# Altium PCB DRS4-PCB.PcbDoc (part 3 of 15)
Units mil, origin at the board's own origin, x right, y up, seen from the top; angles counter-clockwise.
Board outline 12350 x 7411.06 mil, 12 copper layers (Top Layer, Ground Layer 2, Signal Layer 3, Signal Layer 4, Ground Layer 5, Power Layer 6, Ground Layer 7, Ground Layer 8, Power Layer 9, Power Layer 10, Ground Layer 11, Bottom Layer), stack 61.6 mil thick; 1411 components, 1117 nets, 4255 pads, 2550 vias.
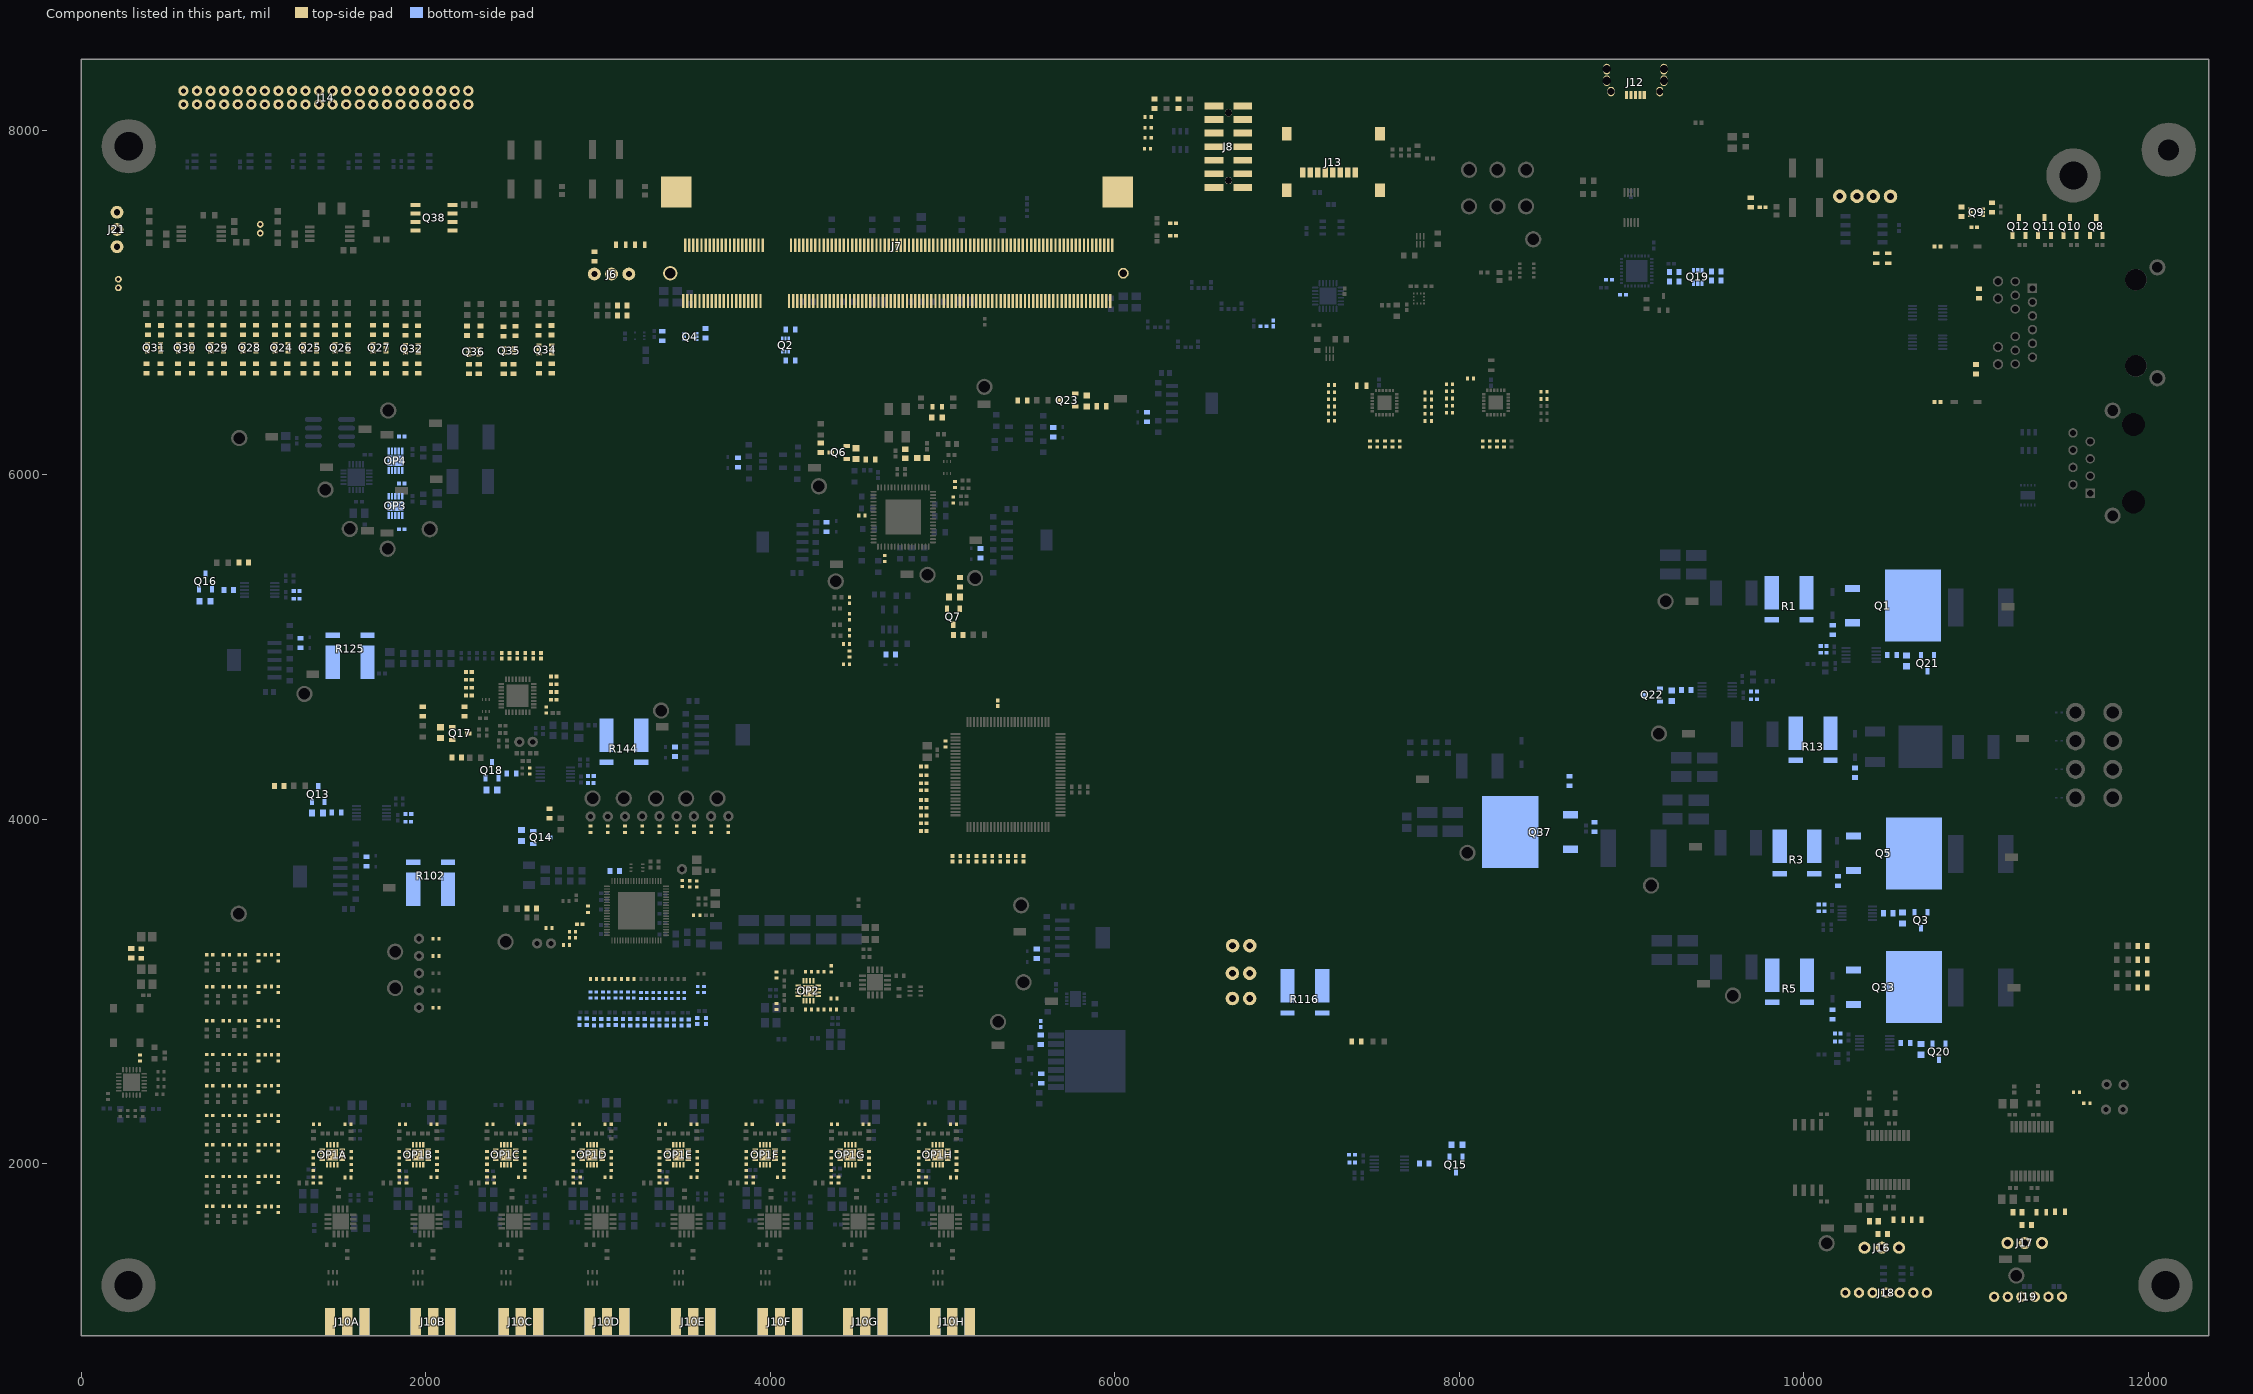
[diagram p13: the components of this part, seen from the top]

## Components (designator, comment, footprint, x,y, rotation, side; value= is the part's Value field where it differs from the comment) (continued)
J3 "Header_TE_Connectivity_826936-2_2POS_5A" Header_TE_Connectivity_826936-2_2POS_5A 6783.23,3265.88 r180 top
J4 "Header_TE_Connectivity_826936-2_2POS_5A" Header_TE_Connectivity_826936-2_2POS_5A 6782.36,3105.59 r180 top
J5 "Header_TE_Connectivity_826936-2_2POS_5A" Header_TE_Connectivity_826936-2_2POS_5A 6782.48,2959.09 r180 top
J6 "Header_TE_Connectivity_87224-3_3POS" Header_TE_Connectivity_87224-3_3POS 2978.05,7165.12 r0 top
J7 "DIMM_TE_Connectivity_1473005-4_200POS" DIMM_TE_Connectivity_1473005-4_200POS 4734.01,7169.62 r0 top
J8 "Header_Molex_87832-1420_14POS" Header_Molex_87832-1420_14POS 6575.46,8140.52 r270 top
J10A "CONREVSMA003.062" CON-SMA-EDGE062 1543.63,1082.68 r270 top (schematic designator J10)
J10B "CONREVSMA003.062" CON-SMA-EDGE062 2041.93,1082.68 r270 top (schematic designator J10)
J10C "CONREVSMA003.062" CON-SMA-EDGE062 2551.34,1082.68 r270 top (schematic designator J10)
J10D "CONREVSMA003.062" CON-SMA-EDGE062 3051.66,1082.68 r270 top (schematic designator J10)
J10E "CONREVSMA003.062" CON-SMA-EDGE062 3551.78,1082.68 r270 top (schematic designator J10)
J10F "CONREVSMA003.062" CON-SMA-EDGE062 4055.64,1082.68 r270 top (schematic designator J10)
J10G "CONREVSMA003.062" CON-SMA-EDGE062 4550.34,1082.68 r270 top (schematic designator J10)
J10H "CONREVSMA003.062" CON-SMA-EDGE062 5056.52,1082.68 r270 top (schematic designator J10)
J11 "Header_TE_Connectivity_826936-2_2POS_5A" Header_TE_Connectivity_826936-2_2POS_5A 10502.75,7615.48 r180 top
J12 "USB_Molex_204926-1103_" USB_Molex_204926-1103 9021.85,8216.54 r180 top
J13 "Conn_Molex_47219-2001_eec" Molex_47219-2001_0 7267.91,7836.42 r0 top
J14 "Header_Molex_87758-4416_44POS" Header_Molex_87758-4416_44POS 592.56,8149.61 r0 top
J15 "Header_Harwin_M50-3530242_2POS" Header_Harwin_M50-3530242_2POS 215.03,7134.67 r270 top
J16 "Header_TE_Connectivity_826926-3_3POS_5A" Header_TE_Connectivity_826926-3_3POS_5A 10552.02,1512.55 r180 top
J17 "Header_TE_Connectivity_826926-3_3POS_5A" Header_TE_Connectivity_826926-3_3POS_5A 11382.07,1539.96 r180 top
J18 "Header_Harwin_M22-2510705_7POS" Header_Harwin_M22-2510705_7POS 10713.5,1250.91 r180 top
J19 "Header_Harwin_ M22-2510605 _6POS" "Header_Harwin_ M22-2510605 _6POS" 11498.43,1227.17 r180 top
J20 "Header_TE_Connectivity_826936-2_2POS_5A" Header_TE_Connectivity_826936-2_2POS_5A 10308.12,7616.36 r180 top
J21 "Header_TE_Connectivity_87224-3_3POS" Header_TE_Connectivity_87224-3_3POS 206.69,7523.47 r270 top
J22 "Header_Harwin_M50-3530242_2POS" Header_Harwin_M50-3530242_2POS 1038.32,7452.82 r270 top
L1 "0603 250 mA" TDK_MLZ1608M100WT_0 4968.15,6395.04 r0 top value=10.0µH
L2A "Ind_TDK_ MLG1005SR22JT000_220nH" "Ind_TDK_ MLG1005SR22JT000_220nH" 2891.94,2824.16 r270 bottom (schematic designator L2)
L2B "Ind_TDK_ MLG1005SR22JT000_220nH" "Ind_TDK_ MLG1005SR22JT000_220nH" 2976.14,2821.67 r270 bottom (schematic designator L2)
L2C "Ind_TDK_ MLG1005SR22JT000_220nH" "Ind_TDK_ MLG1005SR22JT000_220nH" 3060.25,2822.11 r270 bottom (schematic designator L2)
L2D "Ind_TDK_ MLG1005SR22JT000_220nH" "Ind_TDK_ MLG1005SR22JT000_220nH" 3144.56,2821.27 r270 bottom (schematic designator L2)
L2E "Ind_TDK_ MLG1005SR22JT000_220nH" "Ind_TDK_ MLG1005SR22JT000_220nH" 3228.53,2821.27 r270 bottom (schematic designator L2)
L2F "Ind_TDK_ MLG1005SR22JT000_220nH" "Ind_TDK_ MLG1005SR22JT000_220nH" 3314.17,2820.64 r270 bottom (schematic designator L2)
L2G "Ind_TDK_ MLG1005SR22JT000_220nH" "Ind_TDK_ MLG1005SR22JT000_220nH" 3398.5,2820.45 r270 bottom (schematic designator L2)
L2H "Ind_TDK_ MLG1005SR22JT000_220nH" "Ind_TDK_ MLG1005SR22JT000_220nH" 3483.99,2820.23 r270 bottom (schematic designator L2)
L3A "Ind_TDK_ MLG1005SR22JT000_220nH" "Ind_TDK_ MLG1005SR22JT000_220nH" 2933.69,2824.16 r90 bottom (schematic designator L3)
L3B "Ind_TDK_ MLG1005SR22JT000_220nH" "Ind_TDK_ MLG1005SR22JT000_220nH" 3017.89,2821.67 r90 bottom (schematic designator L3)
L3C "Ind_TDK_ MLG1005SR22JT000_220nH" "Ind_TDK_ MLG1005SR22JT000_220nH" 3101.99,2822.11 r90 bottom (schematic designator L3)
L3D "Ind_TDK_ MLG1005SR22JT000_220nH" "Ind_TDK_ MLG1005SR22JT000_220nH" 3186.31,2821.27 r90 bottom (schematic designator L3)
L3E "Ind_TDK_ MLG1005SR22JT000_220nH" "Ind_TDK_ MLG1005SR22JT000_220nH" 3270.27,2821.27 r90 bottom (schematic designator L3)
L3F "Ind_TDK_ MLG1005SR22JT000_220nH" "Ind_TDK_ MLG1005SR22JT000_220nH" 3355.91,2820.64 r90 bottom (schematic designator L3)
L3G "Ind_TDK_ MLG1005SR22JT000_220nH" "Ind_TDK_ MLG1005SR22JT000_220nH" 3440.24,2820.45 r90 bottom (schematic designator L3)
L3H "Ind_TDK_ MLG1005SR22JT000_220nH" "Ind_TDK_ MLG1005SR22JT000_220nH" 3525.73,2820.23 r90 bottom (schematic designator L3)
L4 "Ind_TDK_ MLG1005SR22JT000_220nH" "Ind_TDK_ MLG1005SR22JT000_220nH" 3575.31,2829.25 r270 bottom
L5 "Ind_TDK_ MLG1005SR22JT000_220nH" "Ind_TDK_ MLG1005SR22JT000_220nH" 3626.66,2829.25 r90 bottom
L6 "470nH 0402 5%" TDK_MLF1005GR47JT000_0 4459.13,5270.66 r270 top value=270.0nH
L7 "510nH 0402 2%" TDK_MHQ1005PR51GT000_0 4459.13,5176.05 r270 top value=510.0nH
L8 "470nH 0402 5%" TDK_MLF1005GR47JT000_0 4459.13,5082.35 r270 top value=270.0nH
L9 "0603 250 mA" TDK_MLZ1608M100WT_0 346.64,3220.33 r90 top value=10.0µH
L10 "470nH 0402 5%" TDK_MLF1005GR47JT000_0 745.73,1752.28 r0 top value=270.0nH
L11 "510nH 0402 2%" TDK_MHQ1005PR51GT000_0 842.36,1752.28 r0 top value=510.0nH
L12 "470nH 0402 5%" TDK_MLF1005GR47JT000_0 933.07,1752.28 r0 top value=270.0nH
L13 "470nH 0402 5%" TDK_MLF1005GR47JT000_0 745.73,2634.09 r0 top value=270.0nH
L14 "510nH 0402 2%" TDK_MHQ1005PR51GT000_0 842.36,2634.09 r0 top value=510.0nH
L15 "470nH 0402 5%" TDK_MLF1005GR47JT000_0 933.07,2634.09 r0 top value=270.0nH
L16 "470nH 0402 5%" TDK_MLF1005GR47JT000_0 745.73,1925.43 r0 top value=270.0nH
L17 "510nH 0402 2%" TDK_MHQ1005PR51GT000_0 842.36,1925.43 r0 top value=510.0nH
L18 "470nH 0402 5%" TDK_MLF1005GR47JT000_0 933.07,1925.43 r0 top value=270.0nH
L19 "470nH 0402 5%" TDK_MLF1005GR47JT000_0 745.73,2830.94 r0 top value=270.0nH
L20 "510nH 0402 2%" TDK_MHQ1005PR51GT000_0 842.36,2830.94 r0 top value=510.0nH
L21 "470nH 0402 5%" TDK_MLF1005GR47JT000_0 933.07,2830.94 r0 top value=270.0nH
L22 "470nH 0402 5%" TDK_MLF1005GR47JT000_0 745.73,2110 r0 top value=270.0nH
L23 "510nH 0402 2%" TDK_MHQ1005PR51GT000_0 842.36,2110 r0 top value=510.0nH
L24 "470nH 0402 5%" TDK_MLF1005GR47JT000_0 933.07,2110 r0 top value=270.0nH
L25 "470nH 0402 5%" TDK_MLF1005GR47JT000_0 745.73,3027.8 r0 top value=270.0nH
L26 "510nH 0402 2%" TDK_MHQ1005PR51GT000_0 842.36,3027.8 r0 top value=510.0nH
L27 "470nH 0402 5%" TDK_MLF1005GR47JT000_0 933.07,3027.8 r0 top value=270.0nH
L28 "470nH 0402 5%" TDK_MLF1005GR47JT000_0 745.73,2279.76 r0 top value=270.0nH
L29 "510nH 0402 2%" TDK_MHQ1005PR51GT000_0 842.36,2279.76 r0 top value=510.0nH
L30 "470nH 0402 5%" TDK_MLF1005GR47JT000_0 933.07,2279.76 r0 top value=270.0nH
L31 "470nH 0402 5%" TDK_MLF1005GR47JT000_0 745.73,3214.02 r0 top value=270.0nH
L32 "510nH 0402 2%" TDK_MHQ1005PR51GT000_0 842.36,3214.02 r0 top value=510.0nH
L33 "470nH 0402 5%" TDK_MLF1005GR47JT000_0 933.07,3214.02 r0 top value=270.0nH
L34 "470nH 0402 5%" TDK_MLF1005GR47JT000_0 745.73,2452.99 r0 top value=270.0nH
L35 "510nH 0402 2%" TDK_MHQ1005PR51GT000_0 842.36,2452.99 r0 top value=510.0nH
L36 "470nH 0402 5%" TDK_MLF1005GR47JT000_0 933.07,2452.99 r0 top value=270.0nH
OP1A "THS4509" RGT16 1456.41,2052.4 r180 top value=Value (schematic designator OP1)
OP1B "THS4509" RGT16 1955.16,2052.4 r180 top value=Value (schematic designator OP1)
OP1C "THS4509" RGT16 2464.61,2052.4 r180 top value=Value (schematic designator OP1)
OP1D "THS4509" RGT16 2964.76,2052.4 r180 top value=Value (schematic designator OP1)
OP1E "THS4509" RGT16 3465.67,2052.4 r180 top value=Value (schematic designator OP1)
OP1F "THS4509" RGT16 3968.74,2052.4 r180 top value=Value (schematic designator OP1)
OP1G "THS4509" RGT16 4463.54,2052.4 r180 top value=Value (schematic designator OP1)
OP1H "THS4509" RGT16 4971.06,2052.4 r180 top value=Value (schematic designator OP1)
OP2 "THS4509" RGT16 4220.63,3004.38 r270 top value=Value
OP3 "OpAmp_Linear_Technology_ LTC6269HDD#PBF_500Mhz" "OpAmp_Linear_Technology_ LTC6269HDD#PBF_500Mhz" 1823.17,5819.13 r90 bottom
OP4 "OpAmp_Linear_Technology_ LTC6269HDD#PBF_500Mhz" "OpAmp_Linear_Technology_ LTC6269HDD#PBF_500Mhz" 1823.17,6080.91 r90 bottom
Q1 "Mos_ROHM_RSJ250P10FRATL_25A" Mos_ROHM_RSJ250P10FRATL_25A 10516.59,5235.18 r90 bottom
Q2 "Mos_ROHM_EM6K6T2R_N_300mA" Mos_ROHM_EM6K6T2R_N_300mA 4088.11,6752.68 r270 bottom
Q3 "BJT_PNP_Toshiba_TMBT3906" BJT_PNP_Toshiba_TMBT3906#1 10680.02,3413.1 r270 bottom
Q4 "Mos_ROHM_EM6K6T2R_N_300mA" Mos_ROHM_EM6K6T2R_N_300mA 3534.84,6801.63 r180 bottom
Q5 "Mos_ROHM_RSJ250P10FRATL_25A" Mos_ROHM_RSJ250P10FRATL_25A 10523.19,3796.7 r90 bottom
Q6 "BJT_PNP_Toshiba_TMBT3906" BJT_PNP_Toshiba_TMBT3906#1 4395.74,6128.88 r180 top
Q7 "BJT_PNP_Toshiba_TMBT3906" BJT_PNP_Toshiba_TMBT3906#1 5061.69,5176.25 r270 top
Q8 "Mos_Alpha&Omega_AO3401A_4A" Mos_Alpha&Omega_AO3401A_4A 11697.06,7441.85 r90 top
Q9 "Mos_ROHM_EM6K6T2R_N_300mA" Mos_ROHM_EM6K6T2R_N_300mA 11003.23,7524.21 r180 top
Q10 "Mos_Alpha&Omega_AO3401A_4A" Mos_Alpha&Omega_AO3401A_4A 11545.49,7441.85 r90 top
Q11 "Mos_Alpha&Omega_AO3401A_4A" Mos_Alpha&Omega_AO3401A_4A 11396.78,7441.85 r90 top
Q12 "Mos_Alpha&Omega_AO3401A_4A" Mos_Alpha&Omega_AO3401A_4A 11248.07,7441.85 r90 top
Q13 "BJT_PNP_Toshiba_TMBT3906" BJT_PNP_Toshiba_TMBT3906#1 1375.2,4146.27 r90 bottom
Q14 "BJT_PNP_Toshiba_TMBT3906" BJT_PNP_Toshiba_TMBT3906#1 2669.42,3893.77 r0 bottom
Q15 "BJT_PNP_Toshiba_TMBT3906" BJT_PNP_Toshiba_TMBT3906#1 7979.57,1995.33 r270 bottom
Q16 "BJT_PNP_Toshiba_TMBT3906" BJT_PNP_Toshiba_TMBT3906#1 720.68,5380.07 r90 bottom
Q17 "BJT_PNP_Toshiba_TMBT3906" BJT_PNP_Toshiba_TMBT3906#1 2199.76,4498.12 r0 top
Q18 "BJT_PNP_Toshiba_TMBT3906" BJT_PNP_Toshiba_TMBT3906#1 2382.89,4283.09 r90 bottom
Q19 "BJT_ROHM_US6X8TR_1A_NPN" BJT_ROHM_US6X8TR_1A_NPN 9383.73,7148.92 r270 bottom
Q20 "BJT_PNP_Toshiba_TMBT3906" BJT_PNP_Toshiba_TMBT3906#1 10784.68,2650.55 r270 bottom
Q21 "BJT_PNP_Toshiba_TMBT3906" BJT_PNP_Toshiba_TMBT3906#2 10718.17,4904.45 r270 bottom
Q22 "BJT_PNP_Toshiba_TMBT3906" BJT_PNP_Toshiba_TMBT3906#1 9118.22,4721.77 r180 bottom
Q23 "BJT_PNP_Toshiba_TMBT3906" BJT_PNP_Toshiba_TMBT3906#1 5722.86,6432.91 r180 top
Q24 "BJT_ROHM_US6X8TR_1A_NPN" BJT_ROHM_US6X8TR_1A_NPN 1162.03,6737.09 r180 top
Q25 "BJT_ROHM_US6X8TR_1A_NPN" BJT_ROHM_US6X8TR_1A_NPN 1327.57,6737.09 r180 top
Q26 "BJT_ROHM_US6X8TR_1A_NPN" BJT_ROHM_US6X8TR_1A_NPN 1509.9,6737.09 r180 top
Q27 "BJT_ROHM_US6X8TR_1A_NPN" BJT_ROHM_US6X8TR_1A_NPN 1730.44,6737.09 r180 top
Q28 "BJT_ROHM_US6X8TR_1A_NPN" BJT_ROHM_US6X8TR_1A_NPN 975.99,6737.09 r180 top
Q29 "BJT_ROHM_US6X8TR_1A_NPN" BJT_ROHM_US6X8TR_1A_NPN 788.44,6737.09 r180 top
Q30 "BJT_ROHM_US6X8TR_1A_NPN" BJT_ROHM_US6X8TR_1A_NPN 602.25,6737.09 r180 top
Q31 "BJT_ROHM_US6X8TR_1A_NPN" BJT_ROHM_US6X8TR_1A_NPN 422.01,6737.09 r180 top
Q32 "BJT_ROHM_US6X8TR_1A_NPN" BJT_ROHM_US6X8TR_1A_NPN 1918.18,6730.87 r180 top
Q33 "Mos_ROHM_RSJ250P10FRATL_25A" Mos_ROHM_RSJ250P10FRATL_25A 10523.19,3019.76 r90 bottom
Q34 "BJT_ROHM_US6X8TR_1A_NPN" BJT_ROHM_US6X8TR_1A_NPN 2693.06,6726.26 r180 top
Q35 "BJT_ROHM_EMT52T2R_100mA_PNP" BJT_ROHM_EMT52T2R_100mA_PNP 2483.59,6720.53 r180 top
Q36 "BJT_ROHM_EMT52T2R_100mA_PNP" BJT_ROHM_EMT52T2R_100mA_PNP 2278.12,6713.85 r0 top
Q37 "Mos_ROHM_RSJ250P10FRATL_25A" Mos_ROHM_RSJ250P10FRATL_25A 8411.72,3930.7 r270 bottom
Q38 "MOS_Fairchild_FDS6699S_PCHN" MOS_Fairchild_FDS6699S_PCHN 2047.73,7491.58 r180 top
R1 "SRes_KOA_PSG4NTEB1L00F_1mOhm" SRes_KOA_PSG4NTEB1L00F_1mOhm 9915.53,5249.07 r0 bottom
R2 "47K 5% 0603" RESC0603(1608)_L 10167.32,5098.43 r90 bottom value="47000.00 Ohm"
R3 "SRes_KOA_PSG4NTEB1L00F_1mOhm" SRes_KOA_PSG4NTEB1L00F_1mOhm 9960.76,3776.79 r0 bottom
R4 "47K 5% 0603" RESC0603(1608)_L 10196.85,3641.73 r90 bottom value="47000.00 Ohm"
R5 "SRes_KOA_PSG4NTEB1L00F_1mOhm" SRes_KOA_PSG4NTEB1L00F_1mOhm 9918.03,3030.03 r0 bottom
R6 "47K 5% 0603" RESC0603(1608)_L 10166.57,2866.41 r90 bottom value="47000.00 Ohm"
R7 "27K 5% 0603" RESC0603(1608)_L 1654.45,3754.32 r90 bottom value="27000.00 Ohm"
R8 "24K 5% 0603" RESC0603(1608)_L 5546.22,3218.3 r270 bottom value="24000.00 Ohm"
R9 "24K 5% 0603" RESC0603(1608)_L 5572.3,2494.49 r270 bottom value="24000.00 Ohm"
R10 "10K 5% 0603" RESC0603(1608)_L 5569.38,2719.95 r270 bottom value="10000.00 Ohm"
R11 "22K 5% 0603" RESC0603(1608)_L 3445.89,4391.11 r270 bottom value="22000.00 Ohm"
R12 "20K 1% 0603" RESC0603(1608)_L 1271.19,5022.7 r270 bottom value="20000.00 Ohm"
R13 "SRes_KOA_PSG4NTEB1L00F_1mOhm" SRes_KOA_PSG4NTEB1L00F_1mOhm 10054.65,4433.38 r0 bottom
R14 "47K 5% 0603" RESC0603(1608)_L 10296.24,4269.47 r90 bottom value="47000.00 Ohm"
R15 "15K 5% 0603" RESC0603(1608)_L 4326.7,5695.68 r90 bottom value="15000.00 Ohm"
R16 "16K 5% 0603" RESC0603(1608)_L 5218.87,5544.16 r270 bottom value="16000.00 Ohm"
R17 "16K 5% 0603" RESC0603(1608)_L 4698.72,4956.45 r180 bottom value="16000.00 Ohm"
R18 "18K 5% 0603" RESC0603(1608)_L 3813.06,6070.24 r90 bottom value="18000.00 Ohm"
R19 "20K 1% 0603" RESC0603(1608)_L 5642.35,6246.65 r90 bottom value="20000.00 Ohm"
R20 "Res_Vishay_CRCW04020000Z0EDC_0_Ohm" Res_Vishay_CRCW04020000Z0EDC_0_Ohm 10102.67,3466.24 r0 bottom
R21 "680R 5% 0603" RESC0603(1608)_L 3140.4,6982.13 r180 top value="680.00 Ohm"
R22 "47K 5% 0603" RESC0603(1608)_L 8784.15,3954.23 r270 bottom value="47000.00 Ohm"
R23 "100K 5% 0603" RESC0603(1608)_N 10573.09,3427.03 r270 bottom value="100000.00 Ohm"
R24 "Res_Vishay_CRCW04020000Z0EDC_0_Ohm" Res_Vishay_CRCW04020000Z0EDC_0_Ohm 10102.77,3505.46 r0 bottom
R25 "10K 5% 0603" RESC0603(1608)_L 10489.18,3453.97 r180 bottom value="10000.00 Ohm"
R26 "47K 5% 0603" RESC0603(1608)_L 4116.22,6843.83 r0 bottom value="47000.00 Ohm"
R27 "1K 5% 0603" RESC0603(1608)_L 8639.98,4221.56 r270 bottom value="1000.00 Ohm"
R28 "47K 5% 0603" RESC0603(1608)_L 4116.22,6664.1 r0 bottom value="47000.00 Ohm"
R29 "680R 5% 0603" RESC0603(1608)_L 11965.59,3103.66 r180 top value="680.00 Ohm"
R30 "47K 5% 0603" RESC0603(1608)_L 3372.41,6805.57 r90 bottom value="47000.00 Ohm"
R31 "1K1 1% 0402" RESC0402(1005)_L#1 2815.96,3269.61 r180 top value="1100.00 Ohm"
R32 "680R 5% 0603" RESC0603(1608)_L 3140.31,6924.49 r180 top value="680.00 Ohm"
R33 "1K1 1% 0402" RESC0402(1005)_L#1 2714.92,3368.23 r180 top value="1100.00 Ohm"
R34 "47K 5% 0603" RESC0603(1608)_L 3622.79,6820.81 r270 bottom value="47000.00 Ohm"
R35 "1K1 1% 0402" RESC0402(1005)_L#1 3155.91,3941.54 r90 top value="1100.00 Ohm"
R36 "1K 5% 0603" RESC0603(1608)_L 2978.05,7266.62 r90 top value="1000.00 Ohm"
R37 "20K 1% 0603" RESC0603(1608)_L 6368.09,8153.35 r90 top value="20000.00 Ohm"
R38 "20K 1% 0603" RESC0603(1608)_L 6230.52,8153.35 r90 top value="20000.00 Ohm"
R39 "22R 1% 0402" RESC0402(1005)_L#1 6193.45,8077.09 r0 top value="22.00 Ohm"
R40 "100R 5% 0402" RESC0402(1005)_L#1 6193.45,7955.53 r0 top value="100.00 Ohm"
R41 "100R 5% 0402" RESC0402(1005)_L#1 6189.02,7892.41 r0 top value="100.00 Ohm"
R42 "100R 5% 0402" RESC0402(1005)_L#1 6193.45,8013.86 r0 top value="100.00 Ohm"
R43 "RES_DNP_0603" RES_DNP_0603 3131.79,7335.91 r0 top
R44 "RES_DNP_0603" RES_DNP_0603 3242.19,7335.91 r0 top
R45 "100K 5% 0603" RESC0603(1608)_N 5068.18,5290.43 r180 top value="100000.00 Ohm"
R46 "100K 5% 0603" RESC0603(1608)_N 4496.95,6122 r90 top value="100000.00 Ohm"
R47 "10K 5% 0603" RESC0603(1608)_L 4581.61,6087.32 r0 top value="10000.00 Ohm"
R48 "10K 5% 0603" RESC0603(1608)_L 5100.69,5375.09 r90 top value="10000.00 Ohm"
R49 "680R 5% 0603" RESC0603(1608)_L 4292.3,6156.05 r90 top value="680.00 Ohm"
R50 "22R 1% 0402" RESC0402(1005)_L#1 4530.71,5763.78 r0 top value="22.00 Ohm"
R51 "22R 1% 0402" RESC0402(1005)_L#1 4663.7,5513.07 r90 top value="22.00 Ohm"
R53 "680R 5% 0603" RESC0603(1608)_L 5091.18,5069.96 r0 top value="680.00 Ohm"
R55 "100R 5% 0402" RESC0402(1005)_L#1 5071.69,5942.42 r270 top value="100.00 Ohm"
R56 "100R 5% 0402" RESC0402(1005)_L#1 5060.83,5853.73 r90 top value="100.00 Ohm"
R57 "1K1 1% 0402" RESC0402(1005)_L#1 3488.16,3625.99 r90 top value="1100.00 Ohm"
R58 "1K1 1% 0402" RESC0402(1005)_L#1 3555.91,3941.54 r90 top value="1100.00 Ohm"
R59 "1K1 1% 0402" RESC0402(1005)_L#1 2058.14,2906.08 r180 top value="1100.00 Ohm"
R60 "1K1 1% 0402" RESC0402(1005)_L#1 3455.91,3941.54 r90 top value="1100.00 Ohm"
R61 "8K 1% 0603" Res_Yageo_RT0603BRE078KL_8K 4967.7,6331.52 r0 top
R62 "Res_Vishay_CRCW0603523RFKEA_523Ohm" Res_Vishay_CRCW0603523RFKEA_523Ohm 4781.81,6121.56 r270 top
R63 "Res_Bourns_CR0603-FX-4420ELF_442Ohm" Res_Bourns_CR0603-FX-4420ELF_442Ohm 4880.23,6095.96 r180 top
R64 "680R 5% 0603" RESC0603(1608)_L 11015.41,7052.58 r270 top value="680.00 Ohm"
R65 "680R 5% 0603" RESC0603(1608)_L 10999.02,6612.43 r90 top value="680.00 Ohm"
R66 "33K 5% 0603" RESC0603(1608)_L 6187.14,6335.15 r270 bottom value="33000.00 Ohm"
R67 "Res_Yageo_RC0402FR-132K49L_2.48kOhm" Res_Yageo_RC0402FR-132K49L_2.48kOhm 5568.76,2810.51 r270 bottom
R68 "1K1 1% 0402" RESC0402(1005)_L#1 7257.64,6520.24 r180 top value="1100.00 Ohm"
R69 "1K1 1% 0402" RESC0402(1005)_L#1 7257.64,6478.9 r180 top value="1100.00 Ohm"
R70 "10K 5% 0603" RESC0603(1608)_L 10914.63,7526.88 r90 top value="10000.00 Ohm"
R71 "1K1 1% 0402" RESC0402(1005)_L#1 7257.64,6437.52 r180 top value="1100.00 Ohm"
R72 "1K1 1% 0402" RESC0402(1005)_L#1 7257.64,6396.19 r180 top value="1100.00 Ohm"
R73 "1K1 1% 0402" RESC0402(1005)_L#1 7257.64,6354.84 r180 top value="1100.00 Ohm"
R74 "1K1 1% 0402" RESC0402(1005)_L#1 7257.64,6313.5 r180 top value="1100.00 Ohm"
R75 "Res_Vishay_CRCW04020000Z0EDC_0_Ohm" Res_Vishay_CRCW04020000Z0EDC_0_Ohm 10988.5,7437.24 r180 top
R76 "Res_Vishay_CRCW04020000Z0EDC_0_Ohm" Res_Vishay_CRCW04020000Z0EDC_0_Ohm 10775.39,7324.92 r180 top
R77 "Res_Vishay_CRCW04020000Z0EDC_0_Ohm" Res_Vishay_CRCW04020000Z0EDC_0_Ohm 10775.39,6421.53 r180 top
R78 "10K 5% 0603" RESC0603(1608)_L 11092.93,7550.93 r270 top value="10000.00 Ohm"
R79 "Res_Vishay_CRCW04020000Z0EDC_0_Ohm" Res_Vishay_CRCW04020000Z0EDC_0_Ohm 4889.88,4306.14 r180 top
R80 "300R 1% 0402" RESC0402(1005)_L#1 5016.61,4437.48 r90 top value="300.00 Ohm"
R81 "Res_Vishay_CRCW04020000Z0EDC_0_Ohm" Res_Vishay_CRCW04020000Z0EDC_0_Ohm 4889.88,4254.56 r180 top
R82 "Res_Vishay_CRCW04020000Z0EDC_0_Ohm" Res_Vishay_CRCW04020000Z0EDC_0_Ohm 4889.88,4209.28 r180 top
R83 "Res_Vishay_CRCW04020000Z0EDC_0_Ohm" Res_Vishay_CRCW04020000Z0EDC_0_Ohm 4889.88,4168.62 r180 top
R84 "Res_Vishay_CRCW04020000Z0EDC_0_Ohm" Res_Vishay_CRCW04020000Z0EDC_0_Ohm 4889.88,4112.06 r180 top
R85 "Res_Vishay_CRCW04020000Z0EDC_0_Ohm" Res_Vishay_CRCW04020000Z0EDC_0_Ohm 4889.88,4066.77 r180 top
R86 "Res_Vishay_CRCW04020000Z0EDC_0_Ohm" Res_Vishay_CRCW04020000Z0EDC_0_Ohm 4889.88,3976.2 r180 top
R87 "Res_Vishay_CRCW04020000Z0EDC_0_Ohm" Res_Vishay_CRCW04020000Z0EDC_0_Ohm 4889.88,3930.92 r180 top
R88 "Res_Vishay_CRCW04020000Z0EDC_0_Ohm" Res_Vishay_CRCW04020000Z0EDC_0_Ohm 5102.34,3770.51 r270 top
R89 "Res_Vishay_CRCW04020000Z0EDC_0_Ohm" Res_Vishay_CRCW04020000Z0EDC_0_Ohm 5057.05,3770.51 r270 top
R90 "Res_Vishay_CRCW04020000Z0EDC_0_Ohm" Res_Vishay_CRCW04020000Z0EDC_0_Ohm 5196.12,3770.51 r270 top
R91 "Res_Vishay_CRCW04020000Z0EDC_0_Ohm" Res_Vishay_CRCW04020000Z0EDC_0_Ohm 5148.02,3770.51 r270 top
R92 "Res_Vishay_CRCW04020000Z0EDC_0_Ohm" Res_Vishay_CRCW04020000Z0EDC_0_Ohm 5288.65,3770.51 r270 top
R93 "Res_Vishay_CRCW04020000Z0EDC_0_Ohm" Res_Vishay_CRCW04020000Z0EDC_0_Ohm 5242.94,3770.51 r270 top
R94 "Res_Vishay_CRCW04020000Z0EDC_0_Ohm" Res_Vishay_CRCW04020000Z0EDC_0_Ohm 5379.22,3770.51 r270 top
R95 "Res_Vishay_CRCW04020000Z0EDC_0_Ohm" Res_Vishay_CRCW04020000Z0EDC_0_Ohm 5333.93,3770.51 r270 top
R96 "Res_Vishay_CRCW04020000Z0EDC_0_Ohm" Res_Vishay_CRCW04020000Z0EDC_0_Ohm 5469.79,3770.51 r270 top
R97 "Res_Vishay_CRCW04020000Z0EDC_0_Ohm" Res_Vishay_CRCW04020000Z0EDC_0_Ohm 5424.5,3770.51 r270 top
R98 "Res_Vishay_CRCW04020000Z0EDC_0_Ohm" Res_Vishay_CRCW04020000Z0EDC_0_Ohm 5319.88,4672.76 r270 top
R99 "1K1 1% 0402" RESC0402(1005)_L#1 11583.21,2414.92 r0 top value="1100.00 Ohm"
R100 "1K1 1% 0402" RESC0402(1005)_L#1 11642.2,2350.59 r0 top value="1100.00 Ohm"
R101 "RES_DNP_0603" RES_DNP_0603 7432.21,6516.02 r0 top
R102 "SRes_KOA_PSG4NTEB1L00F_1mOhm" SRes_KOA_PSG4NTEB1L00F_1mOhm 2026.65,3658.39 r180 bottom
R103 "Res_Vishay_CRCW04020000Z0EDC_0_Ohm" Res_Vishay_CRCW04020000Z0EDC_0_Ohm 1898.39,4029.83 r180 bottom
R104 "100K 5% 0603" RESC0603(1608)_N 1370.27,4036.66 r180 bottom value="100000.00 Ohm"
R105 "Res_Vishay_CRCW04020000Z0EDC_0_Ohm" Res_Vishay_CRCW04020000Z0EDC_0_Ohm 1897.98,3984.49 r180 bottom
R106 "100R 5% 0402" RESC0402(1005)_L#1 2940.75,3477.17 r270 top value="100.00 Ohm"
R107 "10K 5% 0603" RESC0603(1608)_L 1481.11,4037.84 r0 bottom value="10000.00 Ohm"
R108 "Res_Vishay_CRCW04020000Z0EDC_0_Ohm" Res_Vishay_CRCW04020000Z0EDC_0_Ohm 2893.7,3389.69 r0 top
R109 "1K1 1% 0402" RESC0402(1005)_L#1 3572.98,3624.27 r90 top value="1100.00 Ohm"
R110 "1K1 1% 0402" RESC0402(1005)_L#1 3531.64,3624.94 r90 top value="1100.00 Ohm"
R111 "130R 5% 0603" RESC0603(1608)_L 2614.07,3482.12 r0 top value="130.00 Ohm"
R112 "680R 5% 0603" RESC0603(1608)_L 1148.14,4193 r0 top value="680.00 Ohm"